# Altium PCB withICversion.PcbDoc (part 1 of 3)
Units mil, origin at the board's own origin, x right, y up, seen from the top; angles counter-clockwise.
Board outline 5511.81 x 8070.87 mil, 2 copper layers (Top Layer, Bottom Layer); 162 components, 85 nets, 489 pads, 156 vias.
Unrouted connection lines stored in the file: 133.
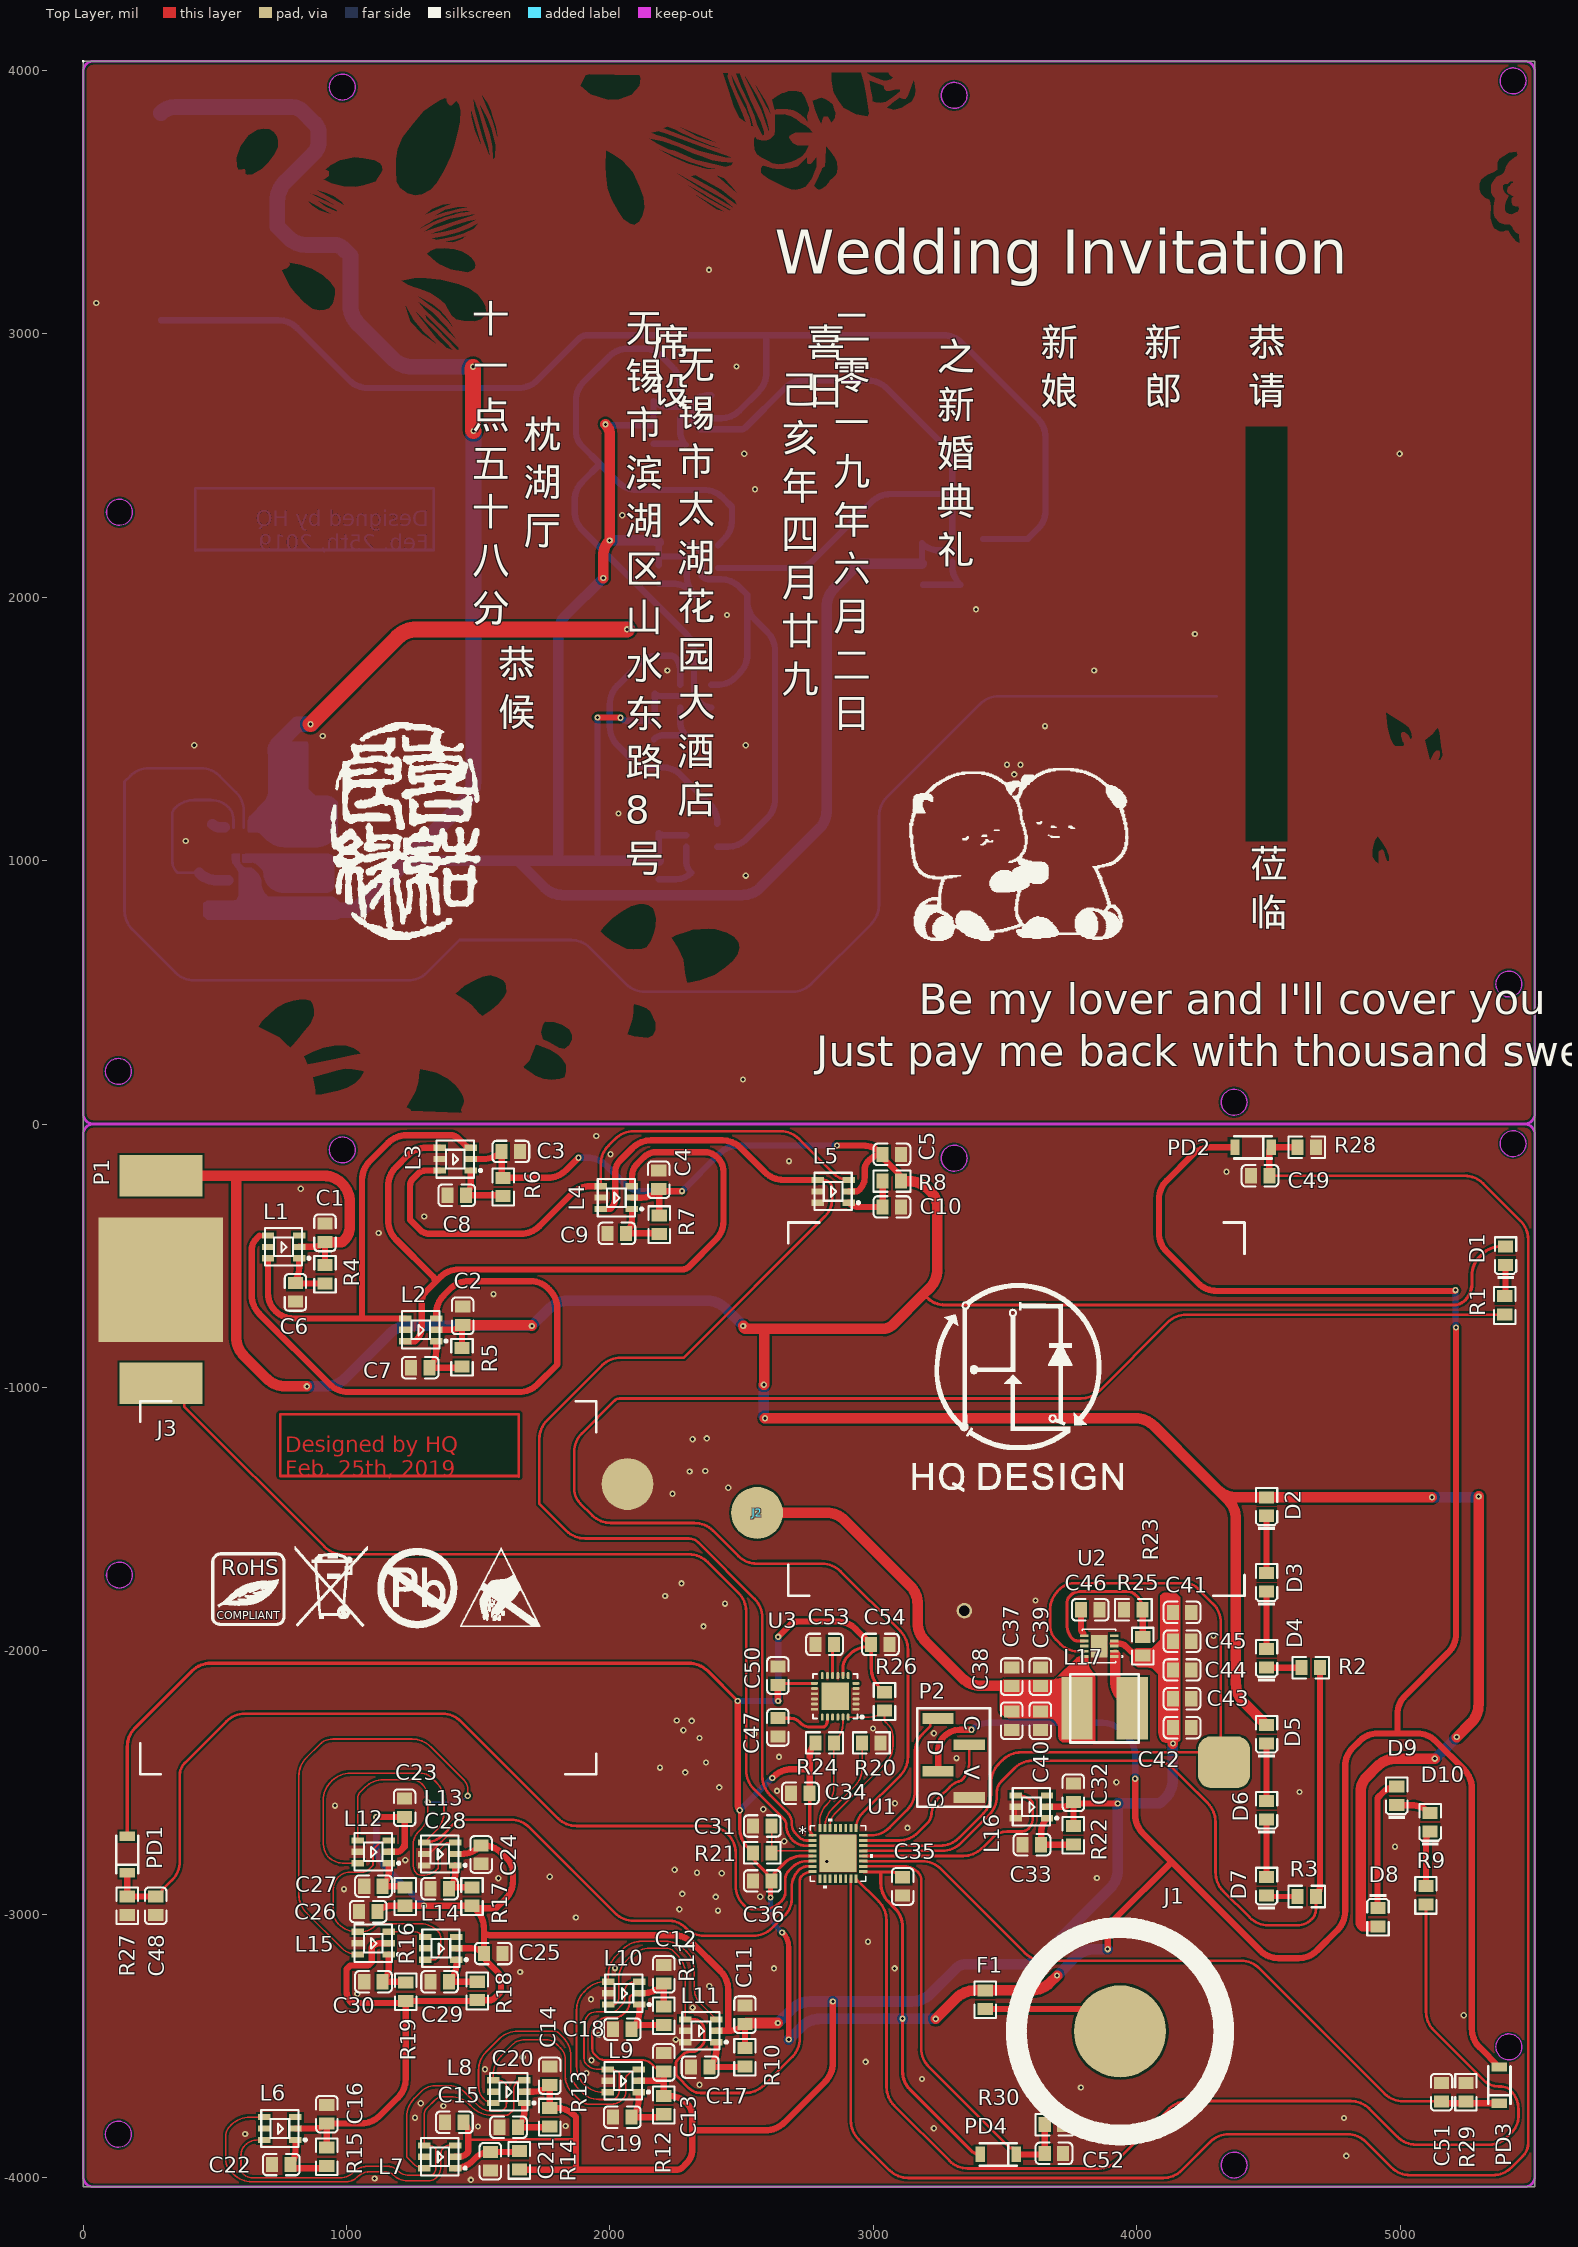
[diagram p0: Top Layer view]
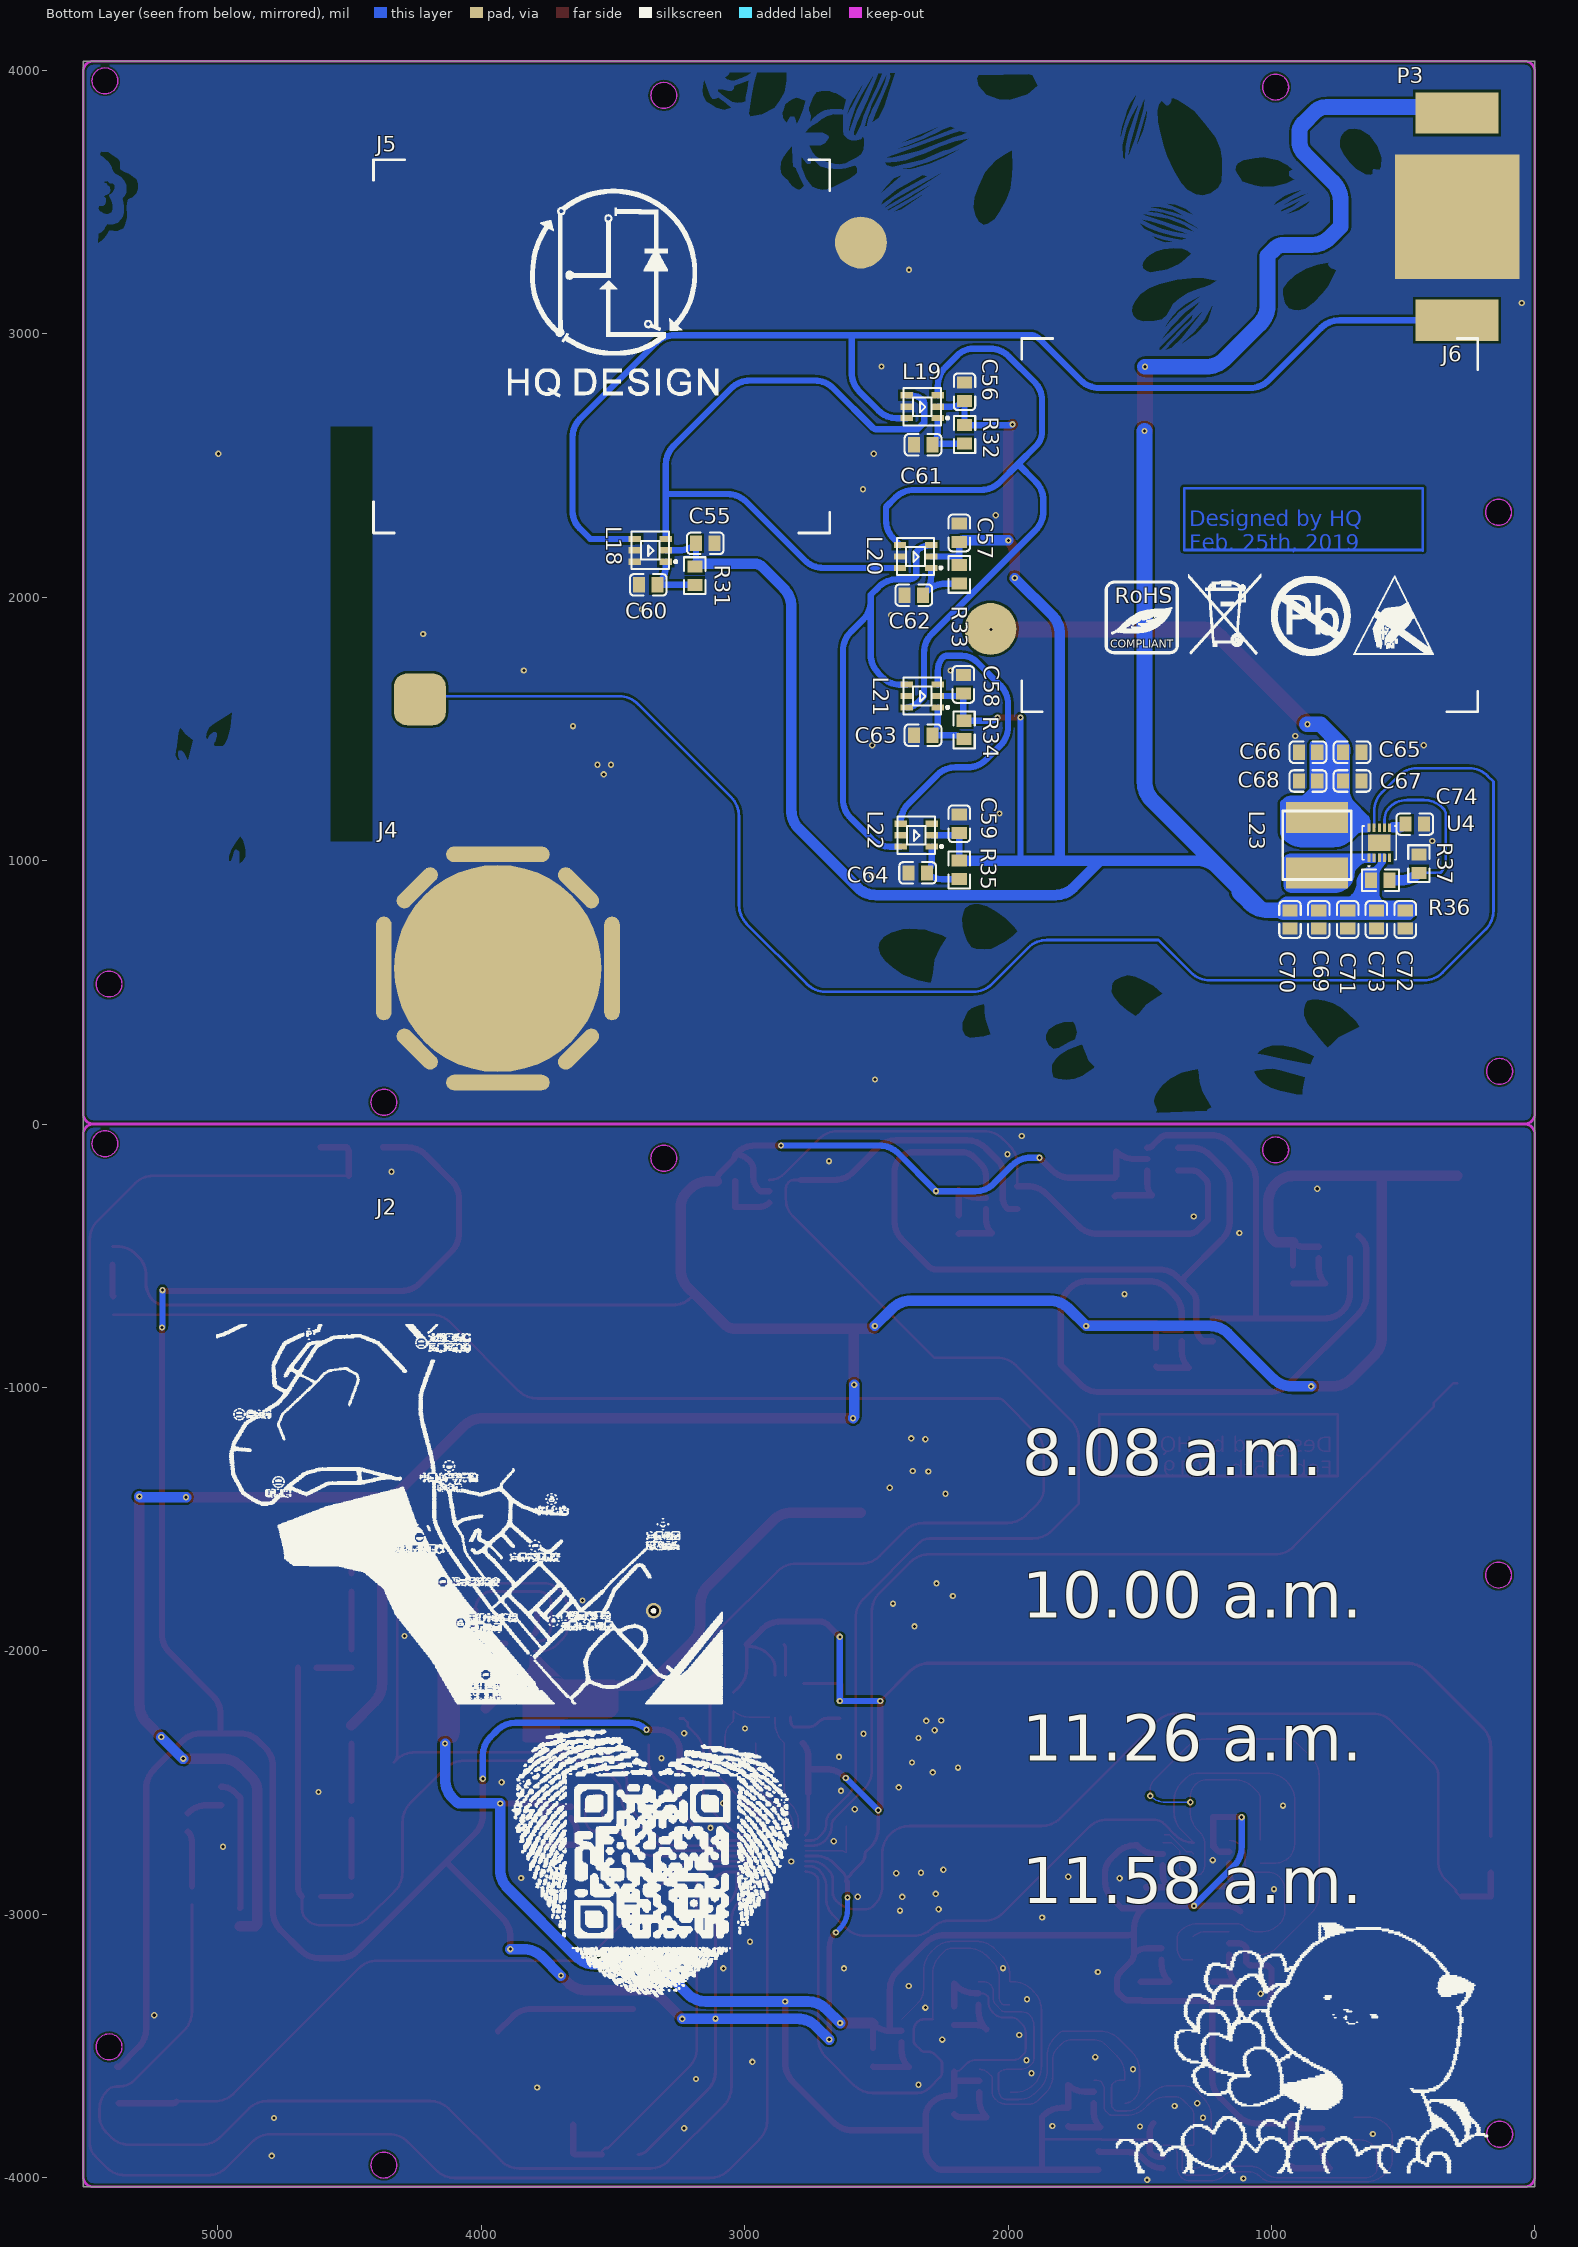
[diagram p1: Bottom Layer view, seen from below]

## Layer stack, top to bottom
Top Solder: solder mask 0.4, Solder Resist, Dk 3.5
Top Layer: signal copper 1.4
Dielectric 1: dielectric 12.6, FR-4, Dk 4.8
Bottom Layer: signal copper 1.4
Bottom Solder: solder mask 0.4, Solder Resist, Dk 3.5

## Board outline
0,-4035.43 5511.81,-4035.43 5511.81,4035.43 0,4035.43
cut-out: 133.86,-3884.84 cw(c133.86,-3835.63) 84.65,-3835.63 cw(c133.86,-3835.63) 133.86,-3786.42 cw(c133.86,-3835.63) 183.07,-3835.63 cw(c133.86,-3835.63)
cut-out: 133.86,150.59 cw(c133.86,199.8) 84.65,199.8 cw(c133.86,199.8) 133.86,249.02 cw(c133.86,199.8) 183.07,199.8 cw(c133.86,199.8)
cut-out: 5429.13,-124.02 cw(c5429.13,-74.8) 5379.92,-74.8 cw(c5429.13,-74.8) 5429.13,-25.59 cw(c5429.13,-74.8) 5478.35,-74.8 cw(c5429.13,-74.8)
cut-out: 5429.13,3911.42 cw(c5429.13,3960.63) 5379.92,3960.63 cw(c5429.13,3960.63) 5429.13,4009.84 cw(c5429.13,3960.63) 5478.35,3960.63 cw(c5429.13,3960.63)
cut-out: 984.25,-147.64 cw(c984.25,-98.43) 935.04,-98.43 cw(c984.25,-98.43) 984.25,-49.21 cw(c984.25,-98.43) 1033.46,-98.43 cw(c984.25,-98.43)
cut-out: 137.79,-1761.81 cw(c137.79,-1712.6) 88.58,-1712.6 cw(c137.79,-1712.6) 137.79,-1663.39 cw(c137.79,-1712.6) 187.01,-1712.6 cw(c137.79,-1712.6)
cut-out: 3307.09,-179.13 cw(c3307.09,-129.92) 3257.87,-129.92 cw(c3307.09,-129.92) 3307.09,-80.71 cw(c3307.09,-129.92) 3356.3,-129.92 cw(c3307.09,-129.92)
cut-out: 5413.39,-3553.15 cw(c5413.39,-3503.94) 5364.17,-3503.94 cw(c5413.39,-3503.94) 5413.39,-3454.72 cw(c5413.39,-3503.94) 5462.6,-3503.94 cw(c5413.39,-3503.94)
cut-out: 4370.08,-4001.97 cw(c4370.08,-3952.76) 4320.87,-3952.76 cw(c4370.08,-3952.76) 4370.08,-3903.54 cw(c4370.08,-3952.76) 4419.29,-3952.76 cw(c4370.08,-3952.76)
cut-out: 4370.08,33.46 cw(c4370.08,82.68) 4320.87,82.68 cw(c4370.08,82.68) 4370.08,131.89 cw(c4370.08,82.68) 4419.29,82.68 cw(c4370.08,82.68)
cut-out: 5413.39,482.28 cw(c5413.39,531.5) 5364.17,531.5 cw(c5413.39,531.5) 5413.39,580.71 cw(c5413.39,531.5) 5462.6,531.5 cw(c5413.39,531.5)
cut-out: 3307.09,3856.3 cw(c3307.09,3905.51) 3257.87,3905.51 cw(c3307.09,3905.51) 3307.09,3954.72 cw(c3307.09,3905.51) 3356.3,3905.51 cw(c3307.09,3905.51)
cut-out: 137.8,2273.62 cw(c137.8,2322.83) 88.58,2322.83 cw(c137.8,2322.83) 137.8,2372.05 cw(c137.8,2322.83) 187.01,2322.83 cw(c137.8,2322.83)
cut-out: 984.25,3887.8 cw(c984.25,3937.01) 935.04,3937.01 cw(c984.25,3937.01) 984.25,3986.22 cw(c984.25,3937.01) 1033.46,3937.01 cw(c984.25,3937.01)

## Design rules (kind name [scope] priority, off if disabled: settings)
Clearance [All] p1: gap=6 ignorepadtopadclearanceinfootprint=TRUE
ComponentClearance [All] p1 off: gap=10 collisioncheckmode=3 verticalgap=10 showdistances=FALSE
Height [All] p1 off: minheight=0 maxheight=1000 prefheight=500
HoleSize [All] p1 off: absolutevalues=TRUE maxlimit=100 minlimit=1 maxpercent=80.000 minpercent=20.000
HoleToHoleClearance [All] p1 off: gap=10 allowstackedmicrovias=TRUE
LayerPairs [All] p1 off: enforce=TRUE
MinimumSolderMaskSliver [All] p1 off: minsoldermaskwidth=10
PlaneConnect [All] p1: planeconnectstyle=Direct reliefexpansion=20 reliefentries=4 reliefconductorwidth=10 reliefairgap=10
PolygonConnect [All] p1: connectstyle=Direct reliefconductorwidth=10 reliefentries=4 polygonreliefangle="90 Angle" airgapwidth=10
RoutingVias [All] p1: holewidth=12 width=24 viastyle="Through Hole" minholewidth=12 minwidth=24 maxholewidth=12 maxwidth=24
SilkToSilkClearance [All] p1 off: silktosilkclearance=10
SilkToSolderMaskClearance [IsPad] p1 off: minsilkscreentomaskgap=10 clearancetoexposedcopper=TRUE
SolderMaskExpansion [All] p1: expansion=4
Width [All] p1: maxlimit=100 minlimit=6 preferedwidth=6
21 further rules are at their usual default settings.

## Classes and differential pairs
component class Schematics: C55 C56 C57 C58 C59 C60 C61 C62 C63 C64 C65 C66 C67 C68 C69 C70 C71 C72 C73 C74 J4 J5 J6 L18 L19 L20 L21 L22 L23 P3 R31 R32 R33 R34 R35 R36 R37 U4
component class FM: C1 C2 C3 C4 C5 C6 C7 C8 C9 C10 C11 C12 C13 C14 C15 C16 C17 C18 C19 C20 C21 C22 C23 C24 C25 C26 C27 C28 C29 C30 C31 C32 C33 C34 C35 C36 C37 C38 C39 C40 C41 C42 C43 C44 C45 C46 C47 C48 C49 C50 C51 C52 C53 C54 D1 D2 D3 D4 D5 D6 D7 D8 D9 D10 F1 J1 J2 J3 L1 L2 L3 L4 L5 L6 L7 L8 L9 L10 L11 L12 L13 L14 L15 L16 L17 P1 P2 PD1 PD2 PD3 PD4 R1 R2 R3 R4 R5 R6 R7 R8 R9 R10 R11 R12 R13 R14 R15 R16 R17 R18 R19 R20 R21 R22 R23 R24 R25 R26 R27 R28 R29 R30 U1 U2 U3

## Components (designator, comment, footprint, x,y, rotation, side; value= is the part's Value field where it differs from the comment)
C1 "100nF(104) 10% 50V" 0805_C 918.31,-413.39 r270 top
C2 "100nF(104) 10% 50V" 0805_C 1440.94,-728.35 r270 top
C3 "100nF(104) 10% 50V" 0805_C 1624.02,-104.33 r180 top
C4 "100nF(104) 10% 50V" 0805_C 2185.04,-211.61 r270 top
C5 "100nF(104) 10% 50V" 0805_C 3070.87,-115.57 r180 top
C6 "100nF(104) 10% 50V" 0805_C 806.1,-639.37 r90 top
C7 "100nF(104) 10% 50V" 0805_C 1279.53,-925.2 r0 top
C8 "100nF(104) 10% 50V" 0805_C 1418.31,-270.67 r0 top
C9 "100nF(104) 10% 50V" 0805_C 2026.57,-415.35 r0 top
C10 "100nF(104) 10% 50V" 0805_C 3070.87,-314.96 r180 top
C11 "100nF(104) 10% 50V" 0805_C 2512.8,-3381.5 r270 top
C12 "100nF(104) 10% 50V" 0805_C 2204.72,-3228.35 r270 top
C13 "100nF(104) 10% 50V" 0805_C 2204.72,-3562.99 r270 top
C14 "100nF(104) 10% 50V" 0805_C 1771.65,-3613.39 r270 top
C15 "100nF(104) 10% 50V" 0805_C 1409.45,-3790.35 r0 top
C16 "100nF(104) 10% 50V" 0805_C 925.2,-3759.84 r270 top
C17 "100nF(104) 10% 50V" 0805_C 2342.52,-3580.71 r0 top
C18 "100nF(104) 10% 50V" 0805_C 2047.24,-3437.01 r0 top
C19 "100nF(104) 10% 50V" 0805_C 2047.24,-3770.67 r0 top
C20 "100nF(104) 10% 50V" 0805_C 1615.16,-3809.06 r0 top
C21 "100nF(104) 10% 50V" 0805_C 1546.26,-3937.99 r90 top
C22 "100nF(104) 10% 50V" 0805_C 751.97,-3950.79 r0 top
C23 "100nF(104) 10% 50V" 0805_C 1220.47,-2596.3 r270 top
C24 "100nF(104) 10% 50V" 0805_C 1510.83,-2773.62 r90 top
C25 "100nF(104) 10% 50V" 0805_C 1557.09,-3149.61 r180 top
C26 "100nF(104) 10% 50V" 0805_C 1082.68,-2990.2 r0 top
C27 "100nF(104) 10% 50V" 0805_C 1102.36,-2893.7 r0 top
C28 "100nF(104) 10% 50V" 0805_C 1353.35,-2903.54 r0 top
C29 "100nF(104) 10% 50V" 0805_C 1353.35,-3256.89 r0 top
C30 "100nF(104) 10% 50V" 0805_C 1102.36,-3256.69 r0 top
C31 "100nF(104) 10% 50V" 0805_C 2578.74,-2665.35 r0 top
C32 "100nF(104) 10% 50V" 0805_C 3759.84,-2539.37 r270 top
C33 "100nF(104) 10% 50V" 0805_C 3602.36,-2736.22 r0 top
C34 "100nF(104) 10% 50V" 0805_C 2723.43,-2541.34 r0 top
C35 "100nF(104) 10% 50V" 0805_C 3111.34,-2895.02 r90 top
C36 "10uF (106) 10% 25V" 0805_C 2578.74,-2874.02 r0 top
C37 "10uF (106) 10% 25V" 0805_C 3525.28,-2098.15 r270 top
C38 "10uF (106) 10% 25V" 0805_C 3525.28,-2265.39 r90 top
C39 "10uF (106) 10% 25V" 0805_C 3634.65,-2098.15 r270 top
C40 "10uF (106) 10% 25V" 0805_C 3634.65,-2265.39 r90 top
C41 "10uF (106) 10% 25V" 0805_C 4172.24,-1854.33 r180 top
C42 "10uF (106) 10% 25V" 0805_C 4172.24,-2291.61 r180 top
C43 "10uF (106) 10% 25V" 0805_C 4172.24,-2182.29 r180 top
C44 "10uF (106) 10% 25V" 0805_C 4172.24,-2072.97 r180 top
C45 "10uF (106) 10% 25V" 0805_C 4172.24,-1963.65 r180 top
C46 "100nF(104) 10% 50V" 0805_C 3823.58,-1844.49 r180 top
C47 "2.2nF (222) 5% 50V" 0805_C 2637.8,-2291.04 r270 top
C48 "100nF(104) 10% 50V" 0805_C 275.59,-2968.11 r90 top
C49 "100nF(104) 10% 50V" 0805_C 4468.5,-196.85 r0 top
C50 "100nF(104) 10% 50V" 0805_C 2637.8,-2094.19 r90 top
C51 "100nF(104) 10% 50V" 0805_C 5157.48,-3676.06 r270 top
C52 "100nF(104) 10% 50V" 0805_C 3686.06,-3908.46 r180 top
C53 "100nF(104) 10% 50V" 0805_C 2814.96,-1976.08 r0 top
C54 "100nF(104) 10% 50V" 0805_C 3027.17,-1976.08 r0 top
C55 "100nF(104) 10% 50V" 0805_C 3149.61,2204.72 r0 bottom
C56 "100nF(104) 10% 50V" 0805_C 2165.35,2779.92 r270 bottom
C57 "100nF(104) 10% 50V" 0805_C 2185.04,2244.09 r270 bottom
C58 "100nF(104) 10% 50V" 0805_C 2169.78,1668.9 r270 bottom
C59 "100nF(104) 10% 50V" 0805_C 2185.04,1139.78 r270 bottom
C60 "100nF(104) 10% 50V" 0805_C 3366.14,2047.24 r180 bottom
C61 "100nF(104) 10% 50V" 0805_C 2322.83,2578.74 r180 bottom
C62 "100nF(104) 10% 50V" 0805_C 2357.87,2007.87 r180 bottom
C63 "100nF(104) 10% 50V" 0805_C 2322.83,1476.38 r180 bottom
C64 "100nF(104) 10% 50V" 0805_C 2343.5,953.39 r180 bottom
C65 "10uF (106) 10% 25V" 0805_C 694.02,1411.69 r0 bottom
C66 "10uF (106) 10% 25V" 0805_C 861.26,1411.69 r180 bottom
C67 "10uF (106) 10% 25V" 0805_C 694.02,1302.32 r0 bottom
C68 "10uF (106) 10% 25V" 0805_C 861.26,1302.32 r180 bottom
C69 "10uF (106) 10% 25V" 0805_C 820.2,776.46 r90 bottom
C70 "10uF (106) 10% 25V" 0805_C 929.57,776.46 r90 bottom
C71 "10uF (106) 10% 25V" 0805_C 710.83,776.46 r90 bottom
C72 "10uF (106) 10% 25V" 0805_C 492.09,776.46 r90 bottom
C73 "10uF (106) 10% 25V" 0805_C 601.46,776.46 r90 bottom
C74 "100nF(104) 10% 50V" 0805_C 455.71,1138.78 r0 bottom
D1 "红灯 0805" 0805_LED_S1 5400.59,-499.61 r90 top
D2 "黄灯 0805" 0805_LED_S1 4493.11,-1452.36 r90 top
D3 "黄灯 0805" 0805_LED_S1 4493.11,-1740.63 r90 top
D4 "黄灯 0805" 0805_LED_S1 4493.11,-2028.9 r90 top
D5 "黄灯 0805" 0805_LED_S1 4493.11,-2317.17 r90 top
D6 "黄灯 0805" 0805_LED_S1 4493.11,-2605.43 r90 top
D7 "黄灯 0805" 0805_LED_S1 4493.11,-2893.7 r90 top
D8 "黄灯 0805" 0805_LED_S1 4916.34,-3011.81 r270 top
D9 "白灯 0805" 0805_LED_S1 4987.2,-2551.18 r90 top
D10 "黄灯 0805" 0805_LED_S1 5114.17,-2651.57 r90 top
F1 "Fuse 2" 0805_R 3425.2,-3324.85 r90 top
J1 "CR2016-HDR" CR2016_HDR 3937.01,-3444.88 r180 bottom
J2 "CR2016-HDR" 173139_HDR 3543.31,-1082.68 r270 bottom
J3 "CR2016-BOT" 173139_BOT 1082.68,-1760.87 r270 top
J4 "CR2016-BOT" CR2016_BOT 3937.01,590.55 r180 bottom
J5 "CR2016-BOT" 173139_BOT 3543.31,2952.76 r270 bottom
J6 "CR2016-HDR" 173139_HDR 1082.68,2273.62 r270 top
L1 "WS2813-Mini" LED-3535 760.83,-466.54 r0 top
L2 "WS2813-Mini" LED-3535 1281.5,-781.49 r0 top
L3 "WS2813-Mini" LED-3535 1412.4,-133.22 r0 top
L4 "WS2813-Mini" LED-3535 2024.61,-279.53 r0 top
L5 "WS2813-Mini" LED-3535 2847.44,-255.91 r0 top
L6 "WS2813-Mini" LED-3535 747.05,-3813.98 r0 top
L7 "WS2813-Mini" LED-3535 1354.33,-3921.26 r0 top
L8 "WS2813-Mini" LED-3535 1616.14,-3674.21 r0 top
L9 "WS2813-Mini" LED-3535 2050.2,-3632.87 r0 top
L10 "WS2813-Mini" LED-3535 2053.15,-3300.2 r0 top
L11 "WS2813-Mini" LED-3535 2345.47,-3442.92 r0 top
L12 "WS2813-Mini" LED-3535 1101.7,-2763.48 r0 top
L13 "WS2813-Mini" LED-3535 1354.33,-2771.63 r0 top
L14 "WS2813-Mini" LED-3535 1358.27,-3129.92 r0 top
L15 "WS2813-Mini" LED-3535 1101.7,-3110.23 r0 top
L16 "WS2813-Mini" LED-3535 3600.39,-2592.52 r0 top
L17 "IHLP2525AHER1R0M01" L2525 4008.27,-2088.5 r270 top value=1uH
L18 "WS2813-Mini" LED-3535 3358.27,2178.15 r180 bottom
L19 "WS2813-Mini" LED-3535 2325.79,2723.43 r180 bottom
L20 "WS2813-Mini" LED-3535 2351.38,2154.53 r180 bottom
L21 "WS2813-Mini" LED-3535 2325.79,1625 r180 bottom
L22 "WS2813-Mini" LED-3535 2348.43,1096.47 r180 bottom
L23 "IHLP2525AHER1R0M01" L2525 696.77,928.39 r0 bottom value=1uH
P1 "Header 3" HQCON 295.28,-590.55 r0 top
P2 "Header 4" SWIM_SMT4 3246.06,-2257.28 r270 top
P3 "Header 3" HQCON 295.28,3444.88 r180 bottom
PD1 "SMD1206-30" LL-34 167.32,-2773.62 r90 top
PD2 "SMD1206-30" LL-34 4441.93,-88.58 r180 top
PD3 "SMD1206-30" LL-34 5376.97,-3649.61 r90 top
PD4 "SMD1206-30" LL-34 3474.41,-3912.4 r180 top
R1 "10KΩ (1002) ±1%" 0805_R 5397.76,-688.98 r270 top
R2 "1.5KΩ (1501) ±1%" 0805_R 4661.02,-2063.94 r0 top
R3 "1.5KΩ (1501) ±1%" 0805_R 4645.67,-2933.07 r0 top
R4 "150Ω (1500) ±1%" 0805_R 918.31,-570.87 r90 top
R5 "150Ω (1500) ±1%" 0805_R 1438.39,-885.83 r90 top
R6 "150Ω (1500) ±1%" 0805_R 1594.49,-239.17 r90 top
R7 "150Ω (1500) ±1%" 0805_R 2187.01,-381.89 r90 top
R8 "150Ω (1500) ±1%" 0805_R 3070.87,-216.54 r0 top
R9 "1.5KΩ (1501) ±1%" 0805_R 5098.43,-2928.74 r270 top
R10 "150Ω (1500) ±1%" 0805_R 2512.8,-3543.31 r90 top
R11 "150Ω (1500) ±1%" 0805_R 2204.72,-3385.83 r90 top
R12 "150Ω (1500) ±1%" 0805_R 2204.72,-3724.8 r90 top
R13 "150Ω (1500) ±1%" 0805_R 1771.65,-3770.67 r90 top
R14 "150Ω (1500) ±1%" 0805_R 1656.5,-3935.04 r270 top
R15 "150Ω (1500) ±1%" 0805_R 925.2,-3921.27 r90 top
R16 "150Ω (1500) ±1%" 0805_R 1222.44,-2933.07 r270 top
R17 "150Ω (1500) ±1%" 0805_R 1476.38,-2933.07 r270 top
R18 "150Ω (1500) ±1%" 0805_R 1496.06,-3291.73 r270 top